# KiCad board FPGA_dev_board.kicad_pcb
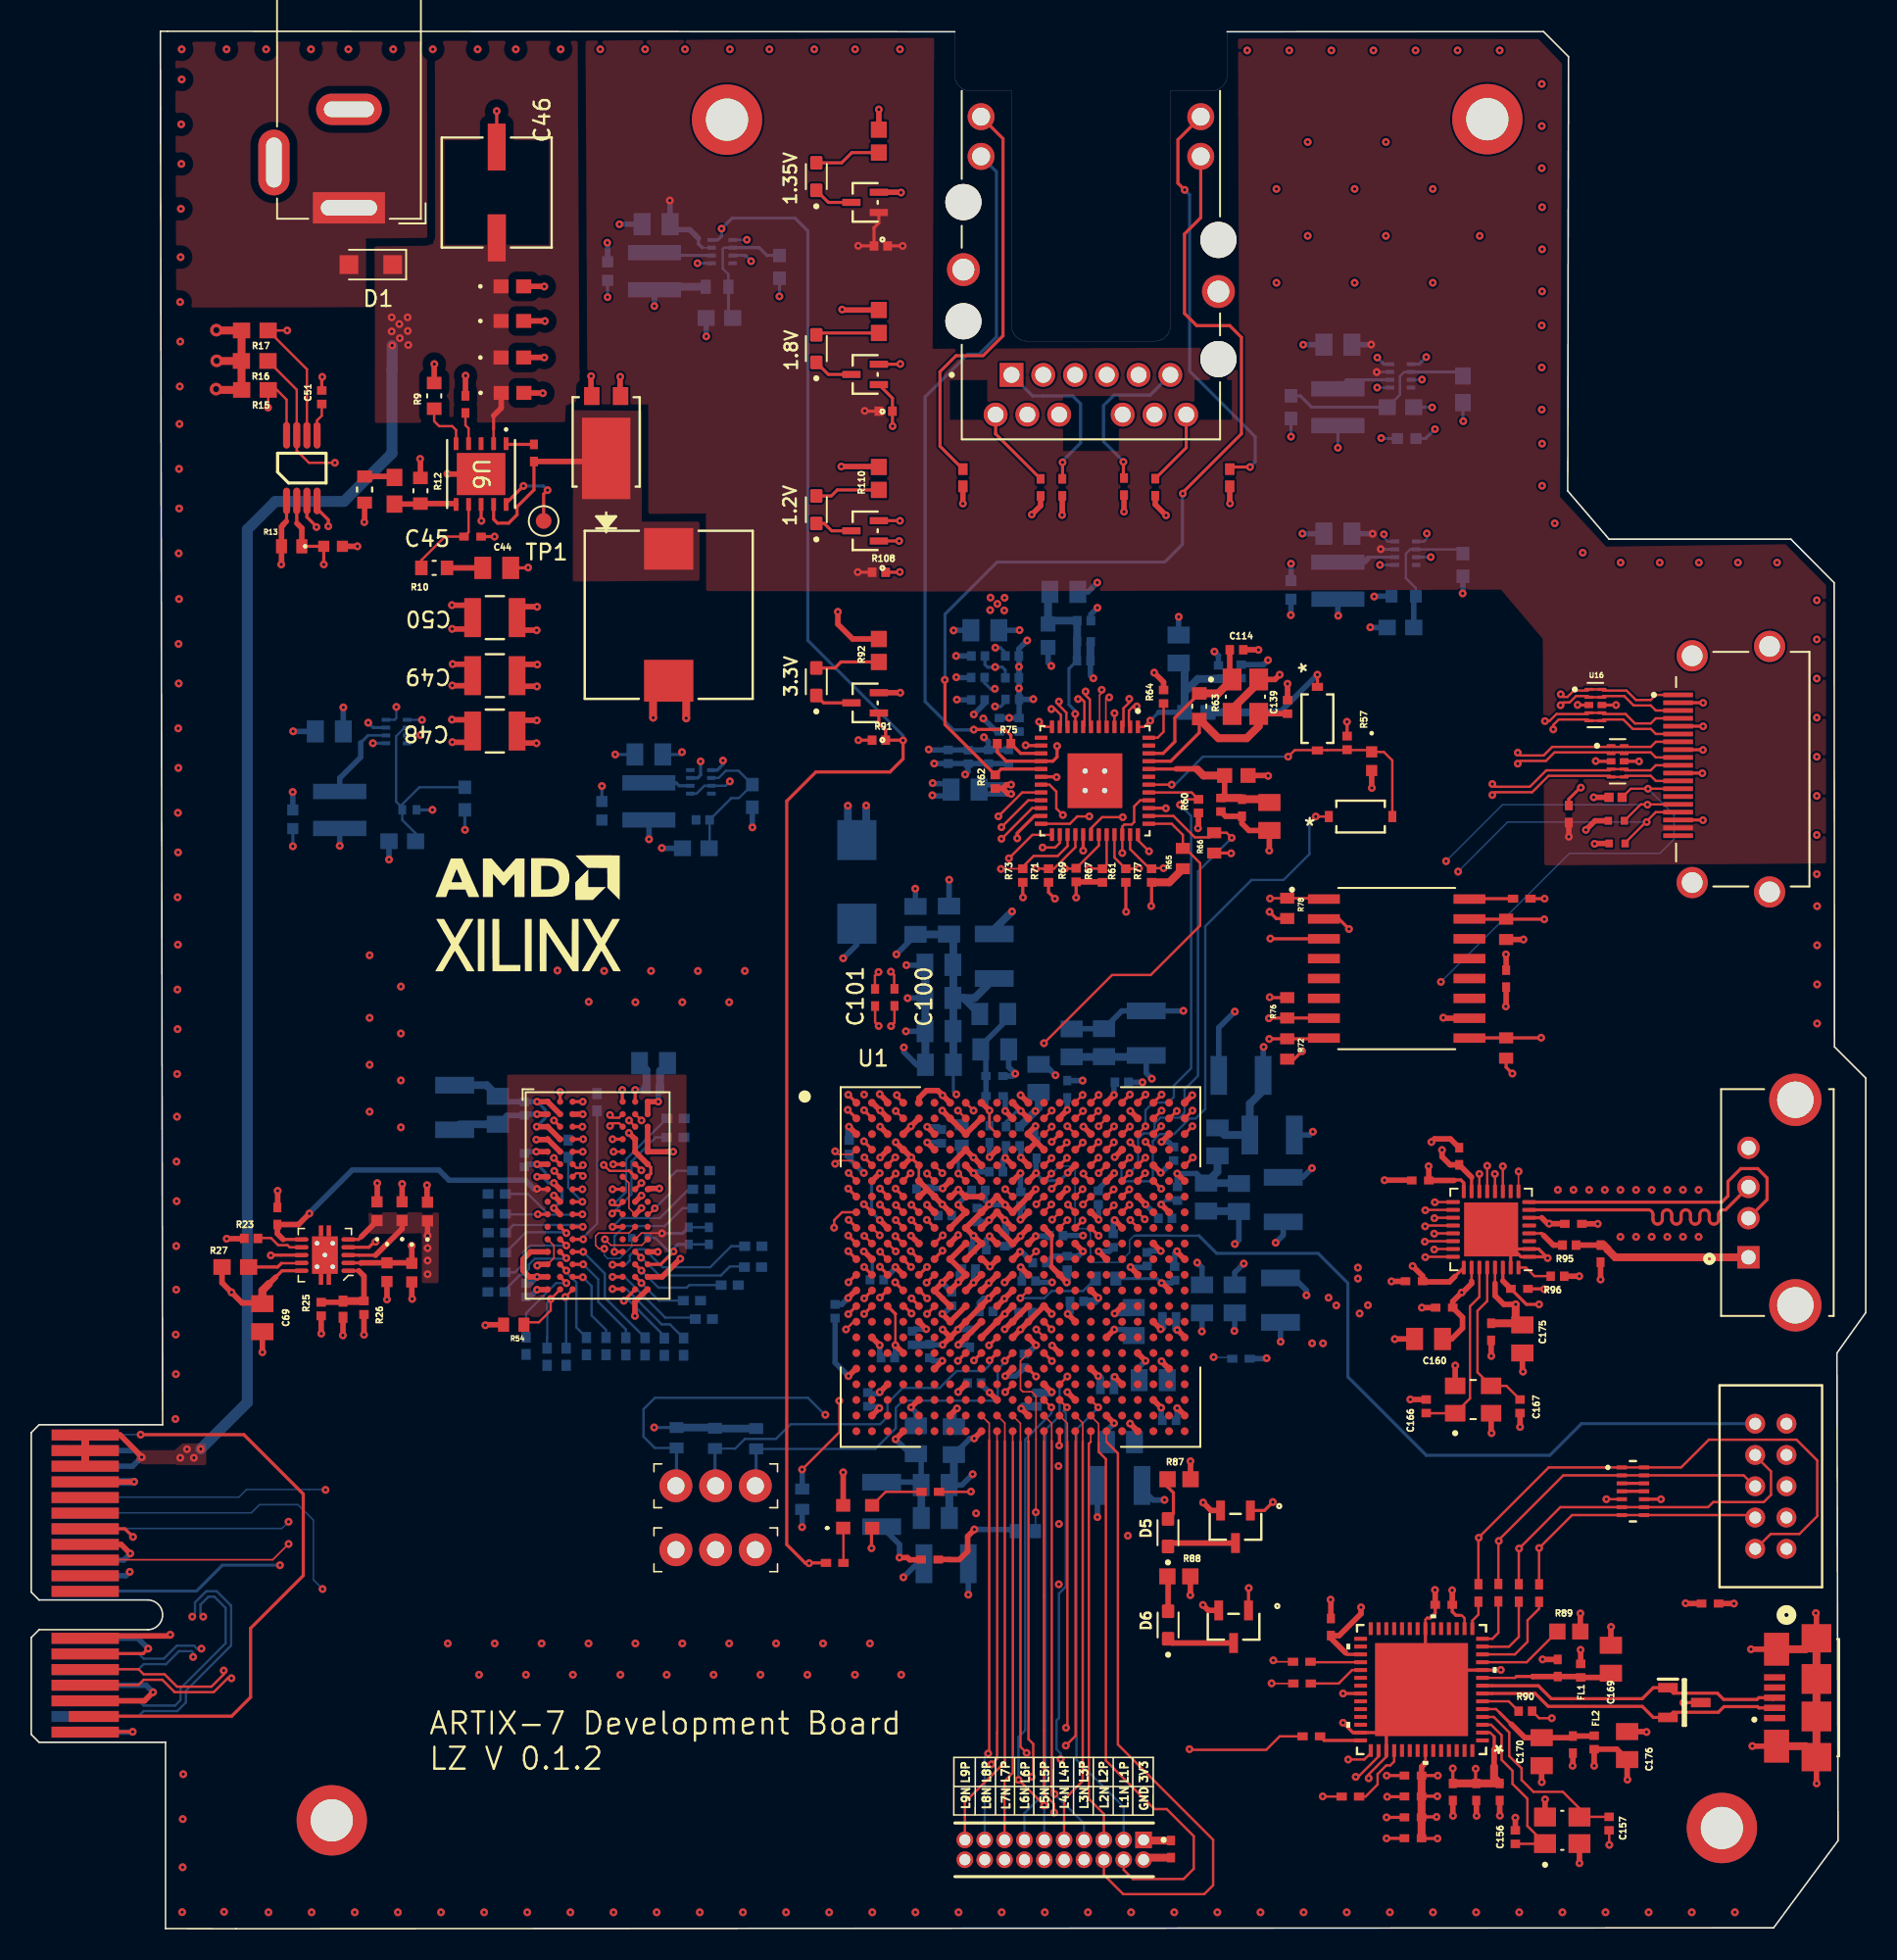
[diagram p0: board, top side]
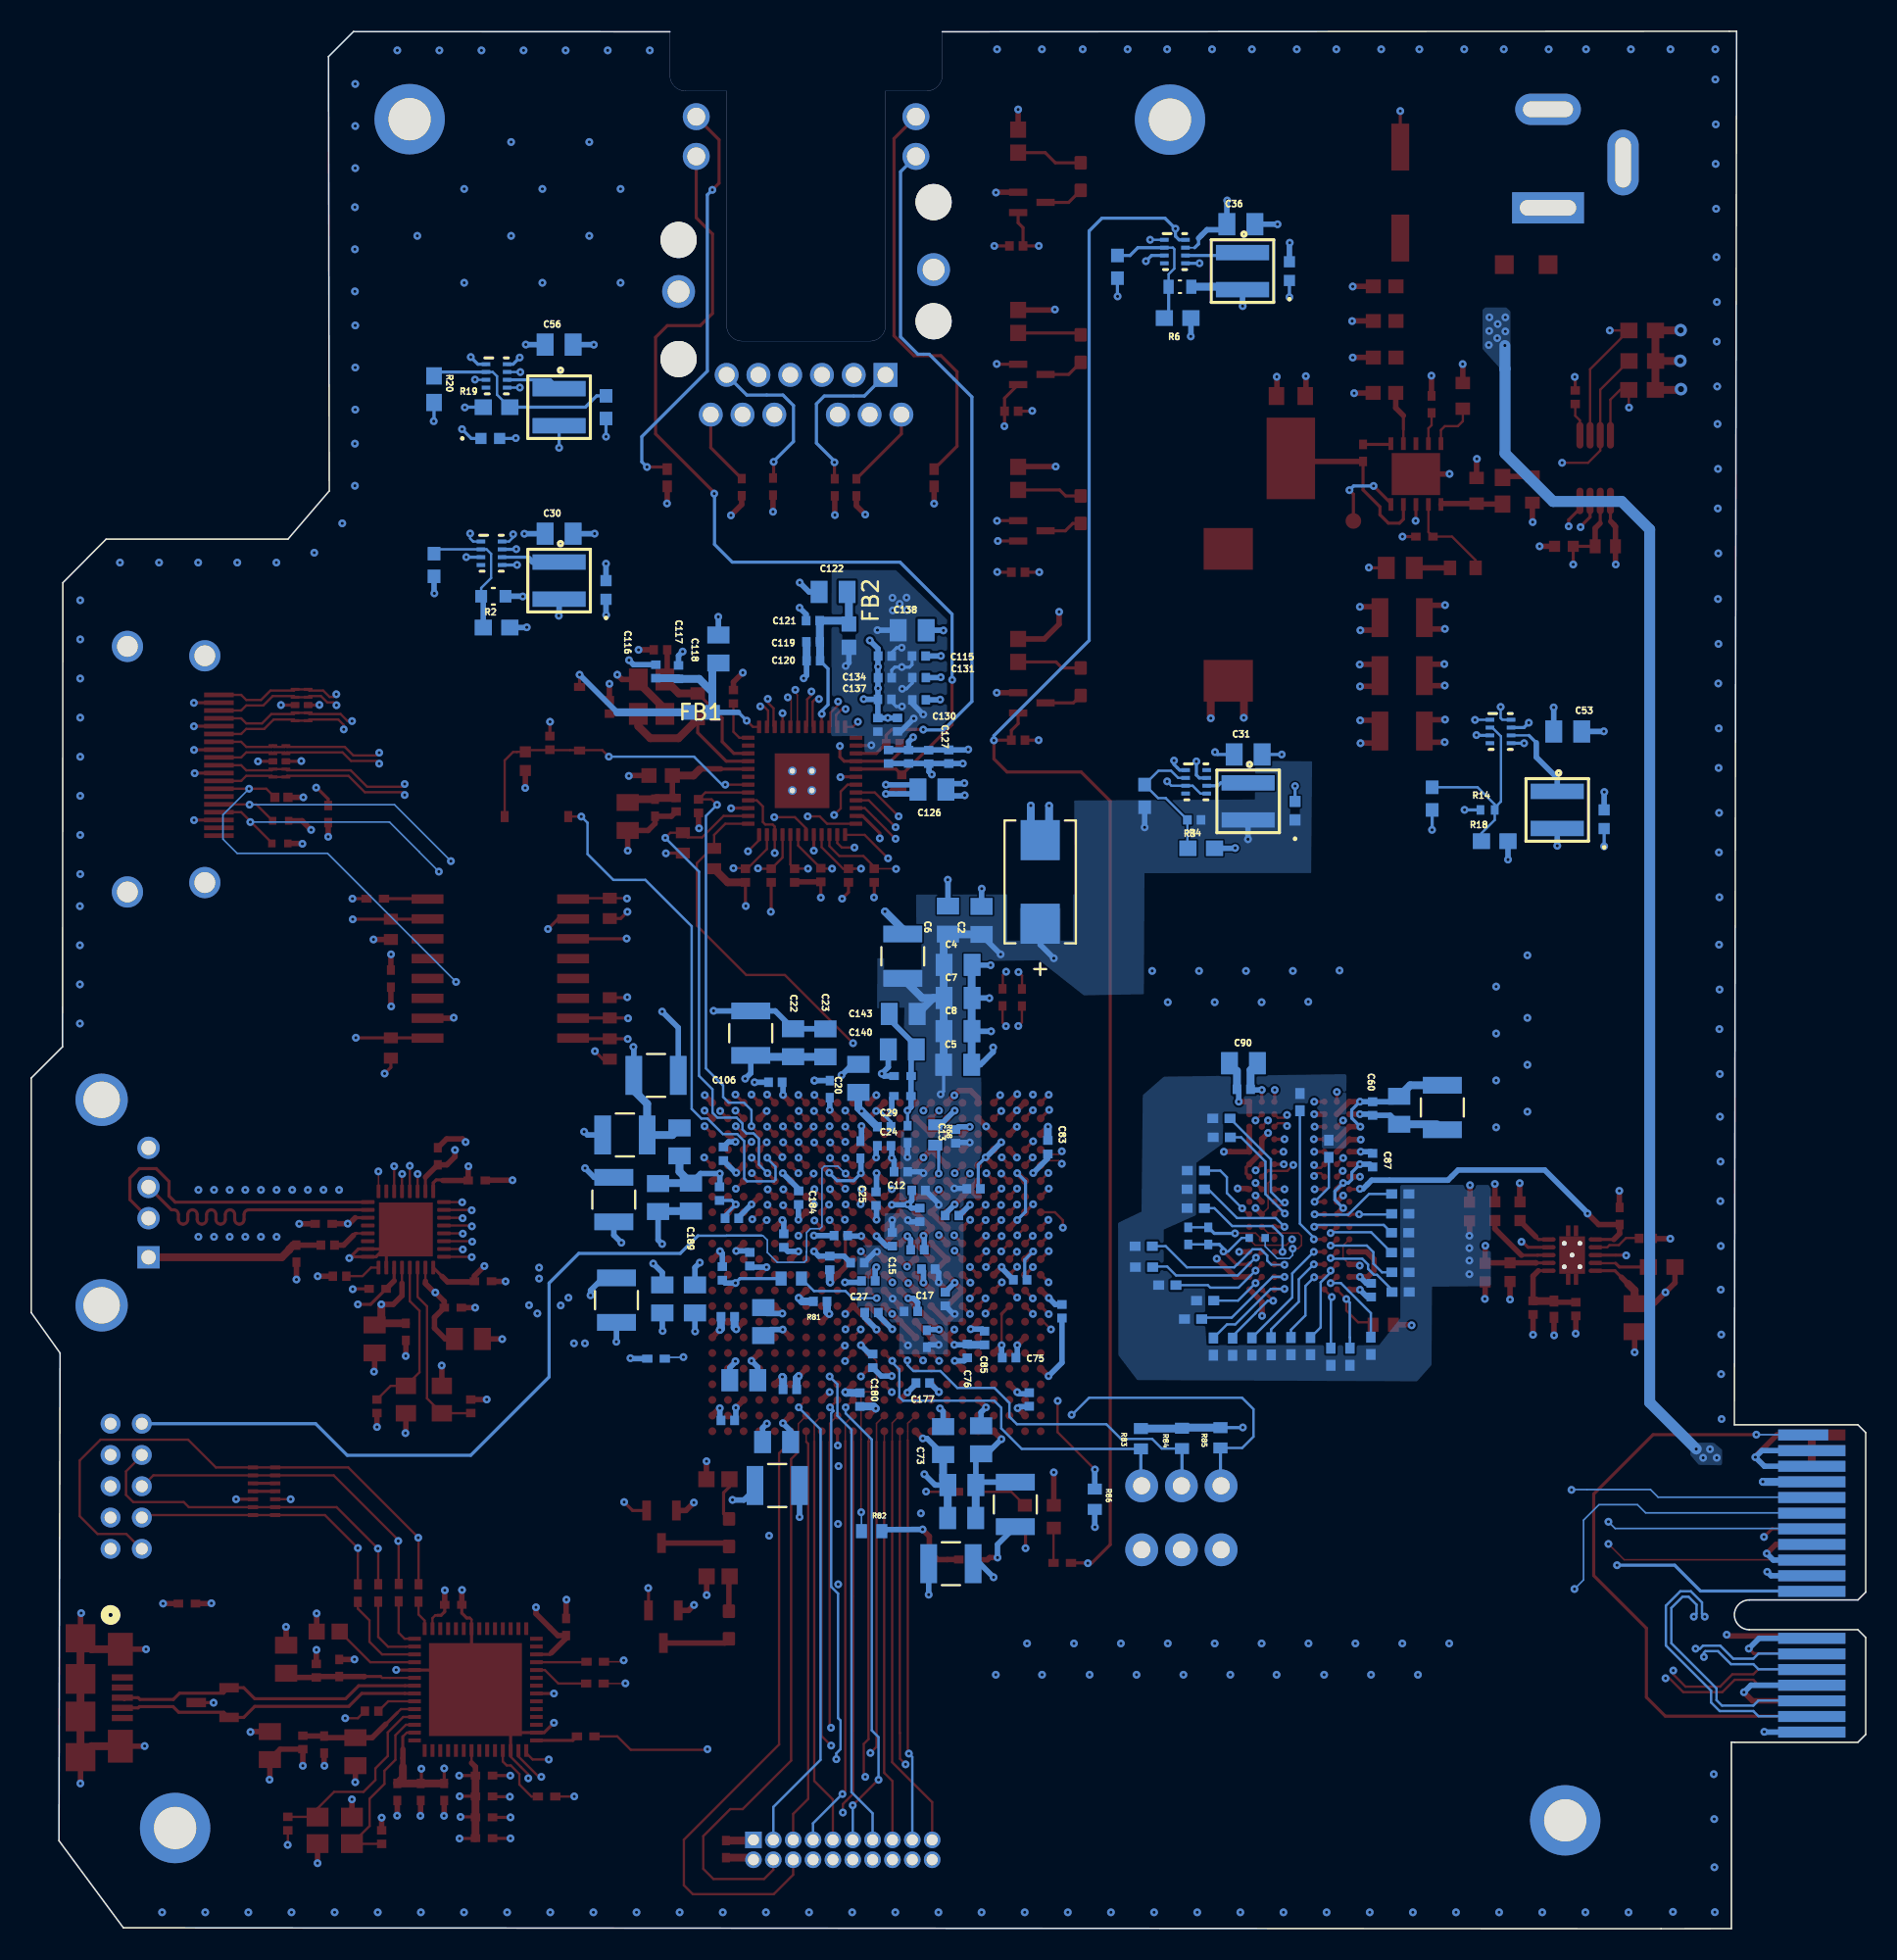
[diagram p1: board, bottom side, seen from below]

Outline 117.33 x 121.32 mm; copper layers: Top, In1_GND.Cu, In2.Cu, In3_GND.Cu, In4_VCC.Cu, In5.Cu, In6_GND.Cu, Bottom. Coordinates in mm from the lower left corner of the outline.
Outline path: 8.4,32.22 8.26,121.32 8.72,121.32 59.06,121.29 ; 8.4,11.92 8.59,11.93 8.59,0.01 13.09,0 111.44,0.06 115.56,5.63 115.49,36.81 117.33,39.39 117.33,54.39 115.33,56.39 115.31,86.06 112.54,88.85 100.91,88.85 98.27,91.93 98.32,119.7 96.72,121.3 76.48,121.29
Stack: Top 0.035mm / dielectric 0.13mm FR4 er 4.27 / In1_GND.Cu 0.035mm / dielectric 0.23mm FR4 er 4.6 / In2.Cu 0.035mm / dielectric 0.196mm FR4 er 4.56 / In3_GND.Cu 0.035mm / dielectric 0.23mm FR4 er 4.6 / In4_VCC.Cu 0.035mm / dielectric 0.196mm FR4 er 4.56 / In5.Cu 0.035mm / dielectric 0.23mm FR4 er 4.6 / In6_GND.Cu 0.035mm / dielectric 0.13mm FR4 er 4.27 / Bottom 0.035mm

## Placement (name value [footprint] x y rotation side)
C1  330u  [CAPMP7.6X4.3_1.9N_KEM]  52.8 66.93 90 bottom
C2  4u7  [CAPC2012X140N]  56.55 64.47 90 bottom
C3  470n  [CAPC1005X55N]  57.06 47.31 180 bottom
C4  4u7  [CAPC2012X140N]  58.05 61.63 180 bottom
C5  4u7  [CAPC2012X140N]  58.08 55.24 180 bottom
C6  4u7  [CAPC2012X140N]  58.7 64.49 90 bottom
C7  4u7  [CAPC2012X140N]  58.05 59.51 180 bottom
C8  4u7  [CAPC2012X140N]  58.06 57.39 180 bottom
C9  470n  [CAPC1005X55N]  64.49 42.58 0 bottom
C10  470n  [CAPC1005X55N]  60.5 45.64 90 bottom
C11  470n  [CAPC1005X55N]  60.58 47.21 0 bottom
C12  470n  [CAPC1005X55N]  61.71 48.4 0 bottom
C13  470n  [CAPC1005X55N]  58.21 50.66 90 bottom
C14  470n  [CAPC1005X55N]  59.96 42.18 0 bottom
C15  470n  [CAPC1005X55N]  62.26 44.08 270 bottom
C16  470n  [CAPC1005X55N]  58.87 40.26 90 bottom
C17  470n  [CAPC1005X55N]  61.07 39.47 180 bottom
C18  100u  [G-32_MUR]  61.59 62.18 90 bottom
C19  47u  [G-32_MUR]  71.31 57.26 90 bottom
C20  4u7  [CAPC2012X140N]  64.43 54.37 90 bottom
C21  470n  [CAPC1005X55N]  60.65 43.41 180 bottom
C22  4u7  [CAPC2012X140N]  68.61 56.65 90 bottom
C23  4u7  [CAPC2012X140N]  66.54 56.64 90 bottom
C24  470n  [CAPC1005X55N]  62.78 50.06 180 bottom
C25  470n  [CAPC1005X55N]  63.3 46.68 90 bottom
C26  470n  [CAPC1005X55N]  63.59 39.4 0 bottom
C27  470n  [CAPC1005X55N]  63.79 41.42 0 bottom
C28  470n  [CAPC1005X55N]  65.55 44.32 0 bottom
C29  470n  [CAPC1005X55N]  62.78 51.28 180 bottom
C30  4u7  [CAPC2012X140N]  83.57 89.2 180 bottom
C31  4u7  [CAPC2012X140N]  39.5 75.08 180 bottom
C32  120p  [G-188_MUR]  91.57 87.2 90 bottom
C33  120p  [G-188_MUR]  46.12 72.43 90 bottom
C34  10u  [CAP_GRM155R60J106ME05D_MUR]  80.57 85.6 90 bottom
C35  10u  [CAP_GRM155R60J106ME05D_MUR]  36.5 71.48 90 bottom
C36  4u7  [CAPC2012X140N]  39.97 108.98 180 bottom
C37  120p  [G-188_MUR]  47.86 106.26 90 bottom
C38  10u  [CAP_GRM155R60J106ME05D_MUR]  36.86 105.98 90 bottom
C39  2u2  [cap_UMK107ABJ474KA-T_TAY]  30.77 105.01 0 top
C40  2u2  [cap_UMK107ABJ474KA-T_TAY]  30.77 102.8 0 top
C41  2u2  [cap_UMK107ABJ474KA-T_TAY]  30.77 100.46 0 top
C42  2u2  [cap_UMK107ABJ474KA-T_TAY]  30.78 98.2 0 top
C43  10p  [G-155_MUR]  27.77 97.46 90 top
C44  4u7  [CAPC2012X140N]  29.77 87.01 0 top
C45  47p  [G-155_MUR]  28.22 89.01 0 top
C46  22u  [CAP_6.3 X 5.8_PAN]  29.77 111.01 90 top
C47  100n  [G-155_MUR]  32.15 94.36 90 top
C48  47u  [G-32_MUR]  29.65 76.58 180 top
C49  47u  [G-32_MUR]  29.65 80.12 180 top
C50  47u  [G-32_MUR]  29.65 83.83 180 top
C51  10n  [CAPC1005X55N]  18.58 97.92 90 top
C52  10u  [CAP_GRM155R60J106ME05D_MUR]  19.31 88.39 0 top
C53  4u7  [CAPC2012X140N]  19.06 76.55 180 bottom
C54  120p  [G-188_MUR]  27.73 72.26 90 bottom
C55  10u  [CAP_GRM155R60J106ME05D_MUR]  16.73 70.94 90 bottom
C56  4u7  [CAPC2012X140N]  83.57 101.28 180 bottom
C57  120p  [G-188_MUR]  80.57 97.28 90 bottom
C58  10u  [CAP_GRM155R60J106ME05D_MUR]  87.97 95.28 180 bottom
C59  100n  [G-155_MUR]  64.3 49.81 90 bottom
C60  0u47  [CAPC1005X55N]  31.54 52.44 90 bottom
C61  100n  [G-155_MUR]  43.33 44.3 270 bottom
C62  100n  [G-155_MUR]  42.05 44.3 270 bottom
C63  1000p  [CAP_GRM_155_MUR]  19.94 39.61 270 top
C64  10u  [CAP_GRM155R60J106ME05D_MUR]  24.34 41.95 270 top
C65  10u  [CAP_GRM155R60J106ME05D_MUR]  22.75 41.98 270 top
C66  10u  [CAP_GRM155R60J106ME05D_MUR]  22.11 45.88 90 top
C67  10u  [CAP_GRM155R60J106ME05D_MUR]  25.34 45.86 90 top
C68  10u  [CAP_GRM155R60J106ME05D_MUR]  23.72 45.88 90 top
C69  4u7  [CAPC2012X140N]  14.78 39.07 270 top
C70  0u1  [G-155_MUR]  15.74 45.57 90 top
C72  47u  [G-32_MUR]  58.51 23.34 180 bottom
C73  4u7  [CAPC2012X140N]  59.01 31.21 90 bottom
C74  4u7  [CAPC2012X140N]  56.58 31.26 270 bottom
C75  0u47  [CAPC1005X55N]  54.79 36.51 180 bottom
C76  0u47  [CAPC1005X55N]  57.46 36.94 270 bottom
C77  0u47  [CAPC1005X55N]  58.44 45.6 180 bottom
C78  47u  [G-32_MUR]  54.39 27.13 90 bottom
C79  4u7  [CAPC2012X140N]  57.81 28.37 180 bottom
C80  4u7  [CAPC2012X140N]  57.82 26.26 180 bottom
C81  0u47  [CAPC1005X55N]  51.41 39.48 90 bottom
C82  0u47  [CAPC1005X55N]  54.08 41.49 0 bottom
C83  0u47  [CAPC1005X55N]  52.31 49.97 90 bottom
C84  0u47  [CAPC1005X55N]  53.5 33.84 90 bottom
C85  0u47  [CAPC1005X55N]  56.36 37.77 90 bottom
C86  0u47  [CAPC1005X55N]  39.78 53.67 180 bottom
C87  0u47  [CAPC1005X55N]  31.54 49.14 270 bottom
C88  0u47  [CAPC1005X55N]  31.63 40.83 90 bottom
C89  4u7  [CAPC2012X140N]  29.84 52.33 90 bottom
C90  4u7  [CAPC2012X140N]  39.8 55.34 180 bottom
C91  47u  [G-32_MUR]  27.08 52.51 90 bottom
C92  100n  [G-155_MUR]  66.26 53.68 90 bottom
C93  47u  [G-32_MUR]  79.9 40.19 90 bottom
C94  4u7  [CAPC2012X140N]  71.76 35.07 180 bottom
C95  4u7  [CAPC2012X140N]  75.87 50.31 270 bottom
C96  0u47  [CAPC1005X55N]  73.13 41.9 270 bottom
C97  0u47  [CAPC1005X55N]  72.78 39.13 0 bottom
C98  0u47  [CAPC1005X55N]  69.2 44 270 bottom
C99  0u47  [CAPC1005X55N]  66.26 42.57 270 bottom
C100  100n  [G-155_MUR]  55.21 59.55 90 top
C101  100n  [G-155_MUR]  53.97 59.54 90 top
C102  10u  [CAP_GRM155R60J106ME05D_MUR]  85.73 74.65 270 top
C103  47u  [G-32_MUR]  80.07 46.62 90 bottom
C104  4u7  [CAPC2012X140N]  70.51 38.82 90 bottom
C105  4u7  [CAPC2012X140N]  69.66 31.12 180 bottom
C106  0u47  [CAPC1005X55N]  69.74 54.12 180 bottom
C107  0u47  [CAPC1005X55N]  73.31 47 90 bottom
C108  0u47  [CAPC1005X55N]  73.06 49.55 90 bottom
C109  0u47  [CAPC1005X55N]  71.37 42.81 90 bottom
C110  100n  [G-155_MUR]  71.89 92.17 270 top
C111  100n  [G-155_MUR]  69.89 92.21 270 top
C112  100n  [G-155_MUR]  65.94 92.16 270 top
C113  100n  [G-155_MUR]  64.56 92.16 270 top
C114  22p  [CAPC1005X55N]  77.09 81.78 0 top
C115  470n  [CAPC1005X55N]  60.56 81.38 180 bottom
C116  10n  [CAPC1005X55N]  77.38 80.39 90 bottom
C117  10n  [CAPC1005X55N]  75.93 80.34 90 bottom
C118  4u7  [CAPC2012X140N]  73.38 81.82 90 bottom
C119  10n  [CAPC1005X55N]  67.33 82.28 0 bottom
C120  10n  [CAPC1005X55N]  67.31 81.07 0 bottom
C121  470n  [CAPC1005X55N]  67.34 83.63 0 bottom
C122  4u7  [CAPC2012X140N]  66.05 85.47 0 bottom
C123  10n  [CAPC1005X55N]  76.08 71.87 270 top
C124  100n  [G-155_MUR]  77.44 71.67 270 top
C125  4u7  [CAPC2012X140N]  79.19 71.12 270 top
C126  4u7  [CAPC2012X140N]  59.72 72.84 180 bottom
C127  470n  [CAPC1005X55N]  58.64 74.94 90 bottom
C128  10n  [CAPC1005X55N]  62.5 74.94 90 bottom
C129  10n  [CAPC1005X55N]  61.22 74.94 90 bottom
C130  10n  [CAPC1005X55N]  60.55 78.57 180 bottom
C131  10n  [CAPC1005X55N]  60.55 80 180 bottom
C132  10n  [CAPC1005X55N]  62.75 78.6 0 bottom
C133  10n  [CAPC1005X55N]  61.92 76.98 90 bottom
C134  470n  [CAPC1005X55N]  62.73 81.38 0 bottom
C135  10n  [CAPC1005X55N]  63.19 76.97 90 bottom
C136  10n  [CAPC1005X55N]  59.94 74.92 90 bottom
C137  470n  [CAPC1005X55N]  62.73 79.98 0 bottom
C138  4u7  [CAPC2012X140N]  60.99 83.03 180 bottom
C139  22p  [CAPC1005X55N]  80.35 78.12 90 top
C140  4u7  [CAPC2012X140N]  61.56 58.49 0 bottom
C141  100n  [G-155_MUR]  61.28 50.8 90 bottom
C142  100n  [G-155_MUR]  60.05 37.72 90 bottom
C143  4u7  [CAPC2012X140N]  61.62 56.22 180 bottom
C144  100n  [G-155_MUR]  61.6 54.52 180 bottom
C145  100n  [G-155_MUR]  61.61 53.24 180 bottom
C146  100n  [G-155_MUR]  94.33 60.75 270 top
C147  0u1  [G-155_MUR]  107.37 20.79 180 top
C148  47u  [G-32_MUR]  77.37 54.56 0 bottom
C149  100n  [G-155_MUR]  88.37 8.46 180 top
C150  100n  [G-155_MUR]  88.37 9.79 180 top
C151  100n  [G-155_MUR]  88.37 5.79 180 top
C152  100n  [G-155_MUR]  88.37 7.12 180 top
C153  100n  [G-155_MUR]  93.92 8.74 270 top
C154  100n  [G-155_MUR]  92.42 8.74 270 top
C155  100n  [G-155_MUR]  90.92 8.74 270 top
C156  18p  [CAPC1005X55N]  94.92 5.86 90 top
C157  18p  [CAPC1005X55N]  100.92 6.72 270 top
C158  100n  [G-155_MUR]  100.37 43.16 270 top
C159  100n  [G-155_MUR]  98.63 45.07 0 top
C160  4u7  [CAPC2012X140N]  89.37 37.71 180 top
C161  100n  [G-155_MUR]  93.37 38.16 270 top
C162  100n  [G-155_MUR]  88.84 47.84 180 top
C163  100n  [G-155_MUR]  95.18 40.91 0 top
C164  100n  [G-155_MUR]  88.44 41.4 180 top
C165  100n  [G-155_MUR]  91.33 49.39 90 top
C166  18p  [CAPC1005X55N]  89.22 33.4 90 top
C167  18p  [CAPC1005X55N]  95.22 33.4 270 top
C168  100n  [G-155_MUR]  97.63 16.67 90 top
C169  4u7  [CAPC2012X140N]  101.03 17.23 90 top
C170  4u7  [CAPC2012X140N]  96.6 11.32 270 top
C171  100n  [G-155_MUR]  98.6 11.77 270 top
C172  100n  [G-155_MUR]  90.34 20.71 180 top
C173  100n  [G-155_MUR]  83.12 19.29 90 top
C174  100n  [G-155_MUR]  90.37 39.71 180 top
C175  4u7  [CAPC2012X140N]  95.37 37.71 270 top
C176  4u7  [CAPC2012X140N]  102.07 11.71 90 top
C177  0u47  [CAPC1005X55N]  60.31 34.89 0 bottom
C178  0u47  [CAPC1005X55N]  66.87 40.11 180 bottom
C179  0u47  [CAPC1005X55N]  63.51 36.31 90 bottom
C180  0u47  [CAPC1005X55N]  64.33 33.83 90 bottom
C181  4u7  [CAPC2012X140N]  74.88 40.27 90 bottom
C182  4u7  [CAPC2012X140N]  76.97 40.27 90 bottom
C183  47u  [G-32_MUR]  79.36 50.75 0 bottom
C184  0u47  [CAPC1005X55N]  68.25 46.74 270 bottom
C185  0u47  [CAPC1005X55N]  72.52 45.42 180 bottom
C186  0u47  [CAPC1005X55N]  72.78 32.5 180 bottom
C187  0u47  [CAPC1005X55N]  68.81 34.48 180 bottom
C188  4u7  [CAPC2012X140N]  77.24 46.75 90 bottom
C189  4u7  [CAPC2012X140N]  75.14 46.78 90 bottom
C190  47u  [G-32_MUR]  69.62 28.34 180 bottom
C191  100n  [G-155_MUR]  98.34 71.27 90 top
C192  100n  [G-155_MUR]  72.9 5.09 270 top
C193  100n  [G-155_MUR]  57.46 23.61 0 top
CR1  PDS760-13  [POWERDI5_DIO]  36.77 95.06 180 top
D1  PMEG3020BER  [Nexperia_CFP3_SOD-123W]  21.72 106.4 180 top
D2  HSMW-C191  [LEDSC80X160X70-2N]  50.21 90.73 90 top
D3  1N4148  [SOD123]  85.02 71.11 0 top
D4  1N4148  [SOD123]  82.26 77.37 270 top
D5  HSMW-C191  [LEDSC80X160X70-2N]  72.7 25.32 90 top
D6  HSMW-C191  [LEDSC80X160X70-2N]  72.71 19.42 90 top
D7  HSMW-C191  [LEDSC80X160X70-2N]  50.21 101.03 90 top
D8  HSMW-C191  [LEDSC80X160X70-2N]  50.21 112.03 90 top
D9  HSMW-C191  [LEDSC80X160X70-2N]  50.21 79.73 90 top
FB1  BLM18PG121SN1D  [IND_BLM18_0603_MUR]  74.52 77.78 0 bottom
FB2  BLM18PG121SN1D  [IND_BLM18_0603_MUR]  65.03 82.67 270 bottom
FB3  BLM18PG121SN1D  [IND_BLM18_0603_MUR]  77.08 73.73 0 top
FL1  BLM15AG601SN1D  [BEADC1005X55N]  99.1 16.5 270 top
FL2  BLM15AG601SN1D  [BEADC1005X55N]  99.96 11.91 90 top
G***  -  [LOGO]  31.78 64.93 0 top
IC1  MT25QL512ABB8ESF-0AAT  [SOIC127P1032X265-16N]  87.33 61.39 0 top
IC2  TPD2E009DBZR  [SOT95P237X112-3N]  105.73 14.46 0 top
J1  DCJ200-10-A-XX-K_REVA  [BarrelJack_GCT_DCJ200-10-A_Horizontal]  20.32 110.03 180 top
J2  Bus_PCI_Express_x1  [BUS_PCIexpress_x1]  3.45 31.57 270 top
J3  L834-1G1T-S7  [BEL_L834-1G1T-S7]  67.77 106.08 180 top
J4  10118192-0002LF  [AMPHENOL_10118192-0002LF]  111.51 14.77 90 top
J5  USB-A1VSB6  [ONSHORE_USB-A1VSB6]  112.83 46.43 90 top
J6  878311020  [87831-1020_MOL]  112.26 24.29 90 top
J7  10029449-111RLF  [AMPHENOL_10029449-111RLF]  111.18 74.14 90 top
J8  FW-10-04-G-D-100-065  [SAMTEC_FW-10-04-G-D-100-065]  65.42 5.04 180 top
J9  640456-3  [PinHeader_1x3_P2.54_Drill1.1mm]  41.23 28.32 0 top
J10  640456-3  [PinHeader_1x3_P2.54_Drill1.1mm]  41.23 24.23 0 top
L1  470n  [XFL4012]  83.57 86.2 270 bottom
L2  470n  [XFL4012]  39.5 72.08 270 bottom
L3  470n  [XFL4012]  39.86 105.98 270 bottom
L4  7447798720  [IND_1064_WE-PDF_WRE]  40.77 84.01 90 top
L5  470n  [XFL4012]  19.73 71.53 270 bottom
L6  470n  [XFL4012]  83.57 97.28 270 bottom
MOSFET1  BSS138PW_115  [SC-70_SOT323_NEX]  53.33 99.38 90 top
MOSFET2  BSS138PW_115  [SC-70_SOT323_NEX]  53.33 89.38 90 top
MOSFET3  BSS138PW_115  [SC-70_SOT323_NEX]  53.33 110.38 90 top
MOSFET4  2N7002  [SOT-23TO-236_318-08_ONS]  77.02 25.7 180 top
MOSFET5  2N7002  [SOT-23TO-236_318-08_ONS]  76.9 19.31 180 top
MOSFET6  BSS138PW_115  [SC-70_SOT323_NEX]  53.33 78.38 90 top
NOREF  -  [unnamed]  44.5 115.67 0 top
NOREF#2  -  [unnamed]  19.22 6.93 0 top
NOREF#3  -  [unnamed]  108.13 6.44 0 top
R1  200k  [RC0603N_PAN]  87.78 85.2 0 bottom
R2  100k  [RESC1608X55]  87.57 83.2 180 bottom
R3  66k5  [RESC1005X35N#2]  42.95 70.9 0 bottom
R4  100k  [RESC1608X55]  42.5 69.08 180 bottom
R5  450K  [RES_ERJ3EKF4533V]  43.86 104.98 0 bottom
R6  100k  [RESC1608X55]  44.01 102.98 180 bottom
R7  R_10k_0402  [RESC1005X40N]  54.64 97.03 0 top
R8  49k9  [RESC1608X60N]  21.32 92.02 90 top
R9  243k  [RESC1608X55N]  25.77 98.01 90 top
R10  16k9  [RESC1608X55N]  25.77 87.01 0 top
R11  53k6  [0603]  23.23 91.94 270 top
R12  10k2  [RESC1608X55N]  24.89 91.94 90 top
R13  100R  [RESC1005X40]  16.66 88.39 0 top
R14  125K  [RESC1005X35N#3]  24.19 71.53 180 bottom
R15  100k  [RESC1608X55]  14.31 98.39 180 top
R16  100k  [RESC1608X55]  14.29 100.24 180 top
R17  100k  [RESC1608X55]  14.3 102.19 180 top
R18  100k  [RESC1608X55]  23.73 69.53 180 bottom
R19  100K  [RESC1608X55]  87.57 97.28 180 bottom
R20  100k  [RESC1608X55]  91.57 98.44 270 bottom
R21  R_10k_0402  [RESC1005X40N]  54.33 107.59 180 top
R22  240R  [RES_ERA2AEB241X]  38.92 44.17 0 bottom
R23  10k  [RESC1005X40N]  14.06 44.14 0 top
R24  50R  [RESC1005X40N#2]  39.26 37.23 90 bottom
R25  10k  [RESC1005X40N]  18.54 39.62 90 top
R26  10k  [RESC1005X40N]  21.28 39.71 90 top
R27  100k  [RESC1608X55]  13.05 42.31 0 top
R28  50R  [RESC1005X40N#2]  46.18 43.64 180 bottom
R29  50R  [RESC1005X40N#2]  38.03 37.24 90 bottom
R30  50R  [RESC1005X40N#2]  29.75 40.71 0 bottom
R31  50R  [RESC1005X40N#2]  44.67 41.15 180 bottom
R32  50R  [RESC1005X40N#2]  35.51 37.25 90 bottom
R33  50R  [RESC1005X40N#2]  42.25 40.16 180 bottom
R34  50R  [RESC1005X40N#2]  31.65 37.27 90 bottom
R35  50R  [RESC1005X40N#2]  40.49 37.21 90 bottom
R36  50R  [RESC1005X40N#2]  36.76 37.25 90 bottom
R37  50R  [RESC1005X40N#2]  42.85 47.28 180 bottom
R38  50R  [RESC1005X40N#2]  43.02 38.98 180 bottom
R39  50R  [RESC1005X40N#2]  42.85 46.07 180 bottom
R40  50R  [RESC1005X40N#2]  34.21 36.57 90 bottom
R41  50R  [RESC1005X40N#2]  41.72 37.22 90 bottom
R42  50R  [RESC1005X40N#2]  29.76 41.97 0 bottom
R43  50R  [RESC1005X40N#2]  46.16 42.3 180 bottom
R44  50R  [RESC1005X40N#2]  36.19 52.85 270 bottom
R45  50R  [RESC1005X40N#2]  41.21 51.81 180 bottom
R46  50R  [RESC1005X40N#2]  41.19 50.6 180 bottom
R47  50R  [RESC1005X40N#2]  42.84 48.47 180 bottom
R48  50R  [RESC1005X40N#2]  32.99 36.57 90 bottom
R49  50R  [RESC1005X40N#2]  29.78 43.23 0 bottom
R50  50R  [RESC1005X40N#2]  34.34 49.87 270 bottom
R51  50R  [RESC1005X40N#2]  29.77 46.98 0 bottom
R52  50R  [RESC1005X40N#2]  29.78 44.5 0 bottom
R53  50R  [RESC1005X40N#2]  29.77 45.71 0 bottom
R54  R_4k7_0402  [RESC1005X40]  30.86 38.62 180 top
R57  10k  [RESC1005X40N]  84.16 75.82 270 top
R58  220R  [RESC1005X35N]  76.66 92.78 270 top
R59  220R  [RESC1005X35N]  59.58 92.78 270 top
R60  10k  [RESC1005X40N]  74.66 71.78 90 top
R61  10k  [RESC1005X40N]  70.01 67.34 90 top
R62  10k  [RESC1005X40N]  61.66 73.34 90 top
R63  1M8  [RESC1608X55N]  74.7 78.16 270 top
R64  12k  [RESC1005X40N]  72.42 78.77 90 top
R65  4k7  [RESC1005X40]  73.66 68.42 90 top
R66  4k7  [RESC1005X40]  75.66 69.42 90 top
R67  10k  [RESC1005X40N]  68.51 67.34 90 top
R68  100R  [RESC1005X40]  59.51 50.75 270 bottom
R69  10k  [RESC1005X40N]  66.83 67.37 90 top
R70  4k7  [RESC1005X40]  94.33 56.31 270 top
R71  10k  [RESC1005X40N]  65.06 67.34 90 top
R72  4k7  [RESC1005X40]  80.33 56.25 270 top
R73  10k  [RESC1005X40N]  63.42 67.34 90 top
R74  4k7  [RESC1005X40]  94.33 63.9 270 top
R75  10k  [RESC1005X40N]  62.22 75.78 0 top
R76  4k7  [RESC1005X40]  80.33 58.88 90 top
R77  10k  [RESC1005X40N]  71.66 67.34 90 top
R78  4k7  [RESC1005X40]  80.33 65.24 270 top
R79  22R  [RC0402N_YAG]  95.33 65.86 0 top
R80  330R  [RC0402N_YAG]  77.37 36.45 0 bottom
R81  4k7  [RESC1005X40]  68.72 41.57 0 bottom
R82  4k7  [RESC1005X40]  63.58 25.42 180 bottom
R83  4k7  [RESC1005X40]  46.36 31.33 90 bottom
R84  4k7  [RESC1005X40]  43.73 31.35 90 bottom
R85  4k7  [RESC1005X40]  41.27 31.39 90 bottom
R86  4k7  [RESC1005X40]  49.31 27.46 270 bottom
R87  R_1k_0402  [RESC1607X60N]  73.41 28.74 0 top
R88  R_1k_0402  [RESC1607X60N]  73.4 22.53 0 top
R89  1K  [RESC1607X60N]  98.34 19 180 top
R90  12k  [RESC1005X40N]  95.56 13.91 180 top
R91  R_10k_0402  [RESC1005X40N]  54.21 76 0 top
R92  R_1k_0402  [RESC1607X60N]  54.21 81.73 90 top
R93  22R  [RC0402N_YAG]  57.5 27.94 0 top
R94  22R  [RC0402N_YAG]  51.39 23.39 0 top
R95  10k  [RESC1005X40N]  98.37 43.71 180 top
R96  12k  [RESC1005X40N]  97.61 41.72 180 top
R97  27k  [RESC1005X35N#2]  101.33 72.34 0 top
R98  22R  [RC0402N_YAG]  96.44 21.46 90 top
R99  22R  [RC0402N_YAG]  95.14 21.47 90 top
R100  22R  [RC0402N_YAG]  93.83 21.49 90 top
R101  22R  [RC0402N_YAG]  92.56 21.47 90 top
R102  22R  [RC0402N_YAG]  81.26 17.07 180 top
R103  22R  [RC0402N_YAG]  81.28 15.68 180 top
R104  22R  [RC0402N_YAG]  84.37 8.45 180 top
R105  22R  [RC0402N_YAG]  81.87 12.3 180 top
R106  2k2  [RES_ERJ2RKF2201X]  101.38 70.84 0 top
R107  2k2  [RES_ERJ2RKF2201X]  101.43 69.39 0 top
R108  R_10k_0402  [RESC1005X40N]  54.21 86.73 0 top
R110  R_1k_0402  [RESC1607X60N]  54.21 92.73 90 top
R112  R_1k_0402  [RESC1607X60N]  54.21 102.76 90 top
R113  R_1k_0402  [RESC1607X60N]  54.21 114.3 90 top
REF**  -  [MountingHole_2.7mm_M2.5_ISO7380_Pad]  93.13 115.7 0 top
TP1  PWRGD  [TestPoint_Pad_D1.5mm]  32.77 90.01 0 top
U1  XC7A100T-FGG484  [BGA484C100P22X22_2300X2300X260N]  63.27 42.31 0 top
U2  TPS62823DLCT  [DLC0008A]  87.89 87.95 180 bottom
U3  TPS62823DLCT  [DLC0008A]  42.82 73.33 180 bottom
U4  LM3881MMX/NOPB  [DGK0008A_N]  17.31 93.39 90 top
U5  TPS62823DLCT  [DLC0008A]  44.19 107.23 180 bottom